# Altium PCB WX0.000.863拼板.PcbDoc (part 14 of 15) (continued)
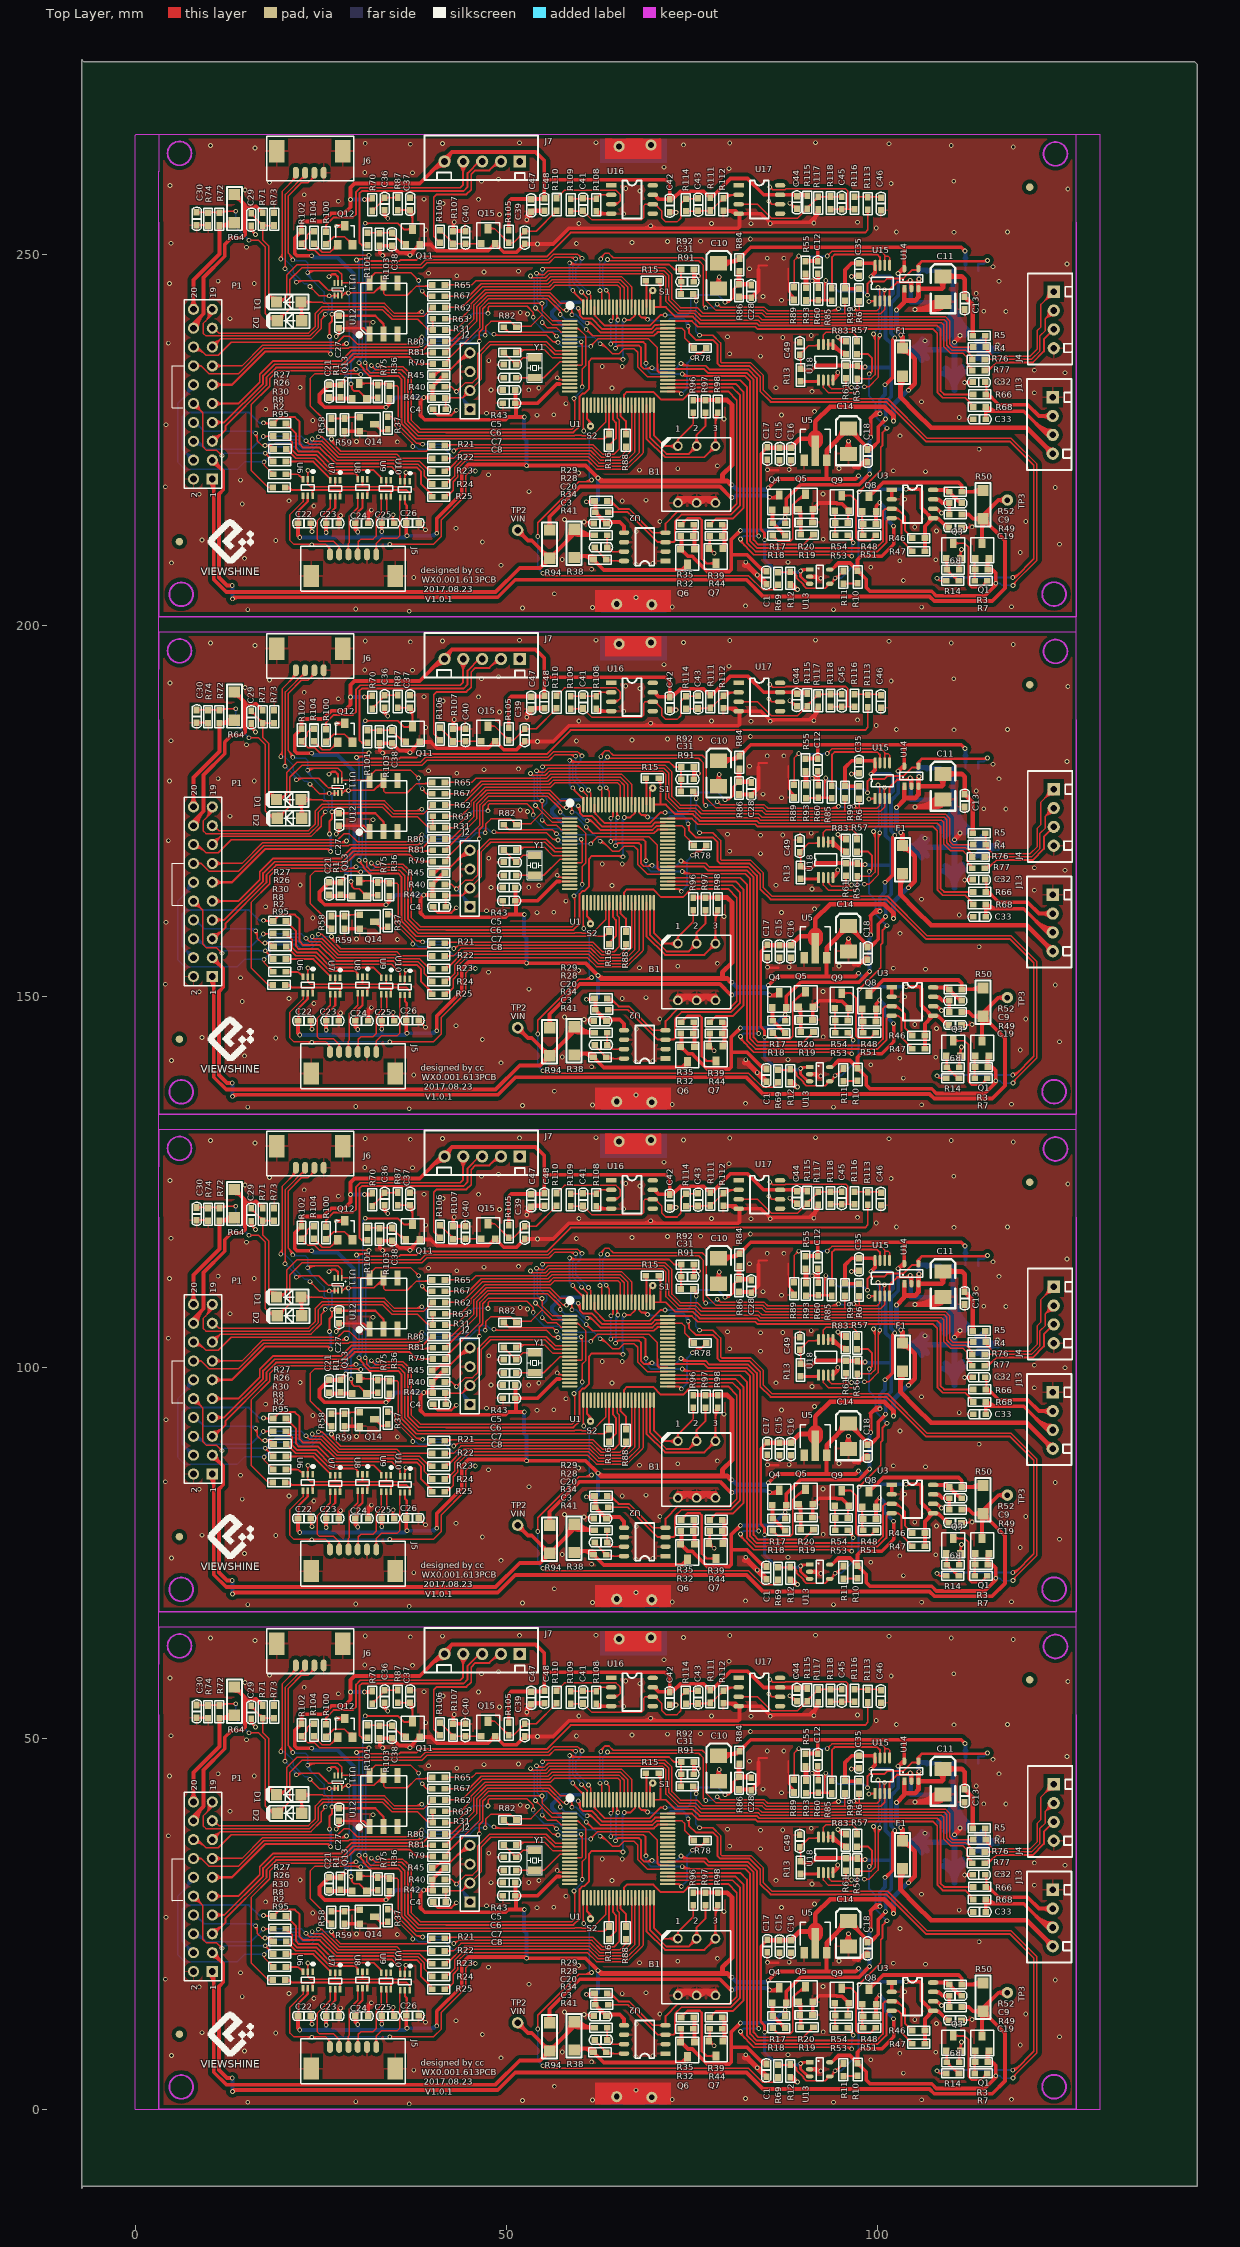
[diagram p0: Top Layer view]
## Nets (pads, with @x,y where several pads share a name; then routed paths per layer and width w, separated by ;. In a path a pad name is that pad's centre, name@x,y a point inside that pad or via, vN(x,y) a via of type N, cw(c..) or ccw(c..) an arc to the next point about the centre after c; other vN are vias at no path point) (continued)
; v1@94.445,139.159 cw(c94.77,138.834) 94.77,139.294 cw(c94.77,139.754) v1@94.445,139.428 ; v1@94.445,206.215 cw(c94.77,205.89) 94.77,206.35 cw(c94.77,206.81) v1@94.445,206.484 ; v1@96.41,8.263 ccw(c96.085,8.588) 96.545,8.588 ccw(c97.005,8.588) v1@96.68,8.263 ; v1@96.41,75.319 ccw(c96.085,75.644) 96.545,75.644 ccw(c97.005,75.644) v1@96.68,75.319 ; v1@96.41,142.375 ccw(c96.085,142.7) 96.545,142.7 ccw(c97.005,142.7) v1@96.68,142.375 ; v1@96.41,209.431 ccw(c96.085,209.756) 96.545,209.756 ccw(c97.005,209.756) v1@96.68,209.431 ; v1(96.545,8.128) v1@96.545,9.754 ; 96.545,9.006 cw(c97.699,9.006) v1@96.883,9.822 ; 96.545,9.62 cw(c97.085,9.62) v1@96.703,10.002 ; v1(96.545,75.184) v1@96.545,76.81 ; 96.545,76.062 cw(c97.699,76.062) v1@96.883,76.878 ; 96.545,76.676 cw(c97.085,76.676) v1@96.703,77.058 ; v1(96.545,142.24) v1@96.545,143.866 ; 96.545,143.118 cw(c97.699,143.118) v1@96.883,143.934 ; 96.545,143.732 cw(c97.085,143.732) v1@96.703,144.114 ; v1(96.545,209.296) v1@96.545,210.922 ; 96.545,210.174 cw(c97.699,210.174) v1@96.883,210.99 ; 96.545,210.788 cw(c97.085,210.788) v1@96.703,211.17 ; 97.434,16.11 cw(c98.241,16.11) v1@97.671,16.68 ; 97.434,83.166 cw(c98.241,83.166) v1@97.671,83.736 ; 97.434,150.222 cw(c98.241,150.222) v1@97.671,150.792 ; 97.434,217.278 cw(c98.241,217.278) v1@97.671,217.848 ; v1@98.489,43.307 ccw(c98.029,43.307) 98.354,43.632 ccw(c98.679,43.957) v1@98.679,43.497 ; v1@98.489,110.363 ccw(c98.029,110.363) 98.354,110.688 ccw(c98.679,111.013) v1@98.679,110.553 ; v1@98.489,177.419 ccw(c98.029,177.419) 98.354,177.744 ccw(c98.679,178.069) v1@98.679,177.609 ; v1@98.489,244.475 ccw(c98.029,244.475) 98.354,244.8 ccw(c98.679,245.125) v1@98.679,244.665 ; v1@98.773,32.58 cw(c98.509,32.317) 98.882,32.317 ; v1@98.773,99.636 cw(c98.509,99.373) 98.882,99.373 ; v1@98.773,166.692 cw(c98.509,166.429) 98.882,166.429 ; v1@98.773,233.748 cw(c98.509,233.485) 98.882,233.485 ; 98.882,30.707 98.882,29.697 99.75,28.829 99.75,27.635 ; 98.882,31.262 v1@98.882,32.664 ; 98.882,32.194 cw(c99.429,32.194) v1@99.042,32.58 ; 98.882,97.763 98.882,96.753 99.75,95.885 99.75,94.691 ; 98.882,98.318 v1@98.882,99.72 ; 98.882,99.25 cw(c99.429,99.25) v1@99.042,99.636 ; 98.882,164.819 98.882,163.809 99.75,162.941 99.75,161.747 ; 98.882,165.374 v1@98.882,166.776 ; 98.882,166.306 cw(c99.429,166.306) v1@99.042,166.692 ; 98.882,231.875 98.882,230.865 99.75,229.997 99.75,228.803 ; 98.882,232.43 v1@98.882,233.832 ; 98.882,233.362 cw(c99.429,233.362) v1@99.042,233.748 ; 98.89,30.714 98.89,31.254 ; 98.89,97.77 98.89,98.31 ; 98.89,164.826 98.89,165.366 ; 98.89,231.882 98.89,232.422 ; 99.713,27.597 99.713,26.982 v1(101.295,25.4) ; 99.713,94.653 99.713,94.038 v1(101.295,92.456) ; 99.713,161.709 99.713,161.094 v1(101.295,159.512) ; 99.713,228.765 99.713,228.15 v1(101.295,226.568) ; v1@101.105,25.4 ccw(c100.645,25.4) 100.97,25.725 ccw(c101.295,26.05) v1@101.295,25.59 ; v1@101.105,92.456 ccw(c100.645,92.456) 100.97,92.781 ccw(c101.295,93.106) v1@101.295,92.647 ; v1@101.105,159.512 ccw(c100.645,159.512) 100.97,159.837 ccw(c101.295,160.162) v1@101.295,159.702 ; v1@101.105,226.568 ccw(c100.645,226.568) 100.97,226.893 ccw(c101.295,227.218) v1@101.295,226.758 ; v1@108.186,5.021 cw(c108.757,4.451) 108.757,5.258 ; v1@108.186,72.077 cw(c108.757,71.507) 108.757,72.314 ; v1@108.186,139.133 cw(c108.757,138.563) 108.757,139.37 ; v1@108.186,206.189 cw(c108.757,205.619) 108.757,206.426 ; v1@108.255,5.258 v1(118.237,5.258) ; v1@108.255,72.314 v1(118.237,72.314) ; v1@108.255,139.37 v1(118.237,139.37) ; v1@108.255,206.426 v1(118.237,206.426) ; 111.885,46.614 111.885,47.447 111.885,48.389 ; 111.885,113.67 111.885,114.503 111.885,115.445 ; 111.885,180.726 111.885,181.559 111.885,182.501 ; 111.885,247.782 111.885,248.615 111.885,249.557 ; v1@118.102,5.123 ccw(c117.777,4.798) 117.777,5.258 ccw(c117.777,5.718) v1@118.102,5.393 ; v1@118.102,72.179 ccw(c117.777,71.854) 117.777,72.314 ccw(c117.777,72.774) v1@118.102,72.449 ; v1@118.102,139.235 ccw(c117.777,138.91) 117.777,139.37 ccw(c117.777,139.83) v1@118.102,139.505 ; v1@118.102,206.291 ccw(c117.777,205.966) 117.777,206.426 ccw(c117.777,206.886) v1@118.102,206.561
  Bottom Layer w0.305: v1@26.045,37.628 cw(c25.395,36.978) 26.314,36.978 ; v1@26.045,104.684 cw(c25.395,104.034) 26.314,104.034 ; v1@26.045,171.74 cw(c25.395,171.09) 26.314,171.09 ; v1@26.045,238.796 cw(c25.395,238.146) 26.314,238.146 ; v1@26.137,43.066 cw(c26.137,42.667) 26.418,42.949 cw(c26.7,43.231) v1@26.302,43.231 ; v1(26.137,43.231) 26.492,42.875 v1(26.492,40.742) ; v1@26.137,110.122 cw(c26.137,109.723) 26.418,110.005 cw(c26.7,110.287) v1@26.302,110.287 ; v1(26.137,110.287) 26.492,109.931 v1(26.492,107.798) ; v1@26.137,177.178 cw(c26.137,176.779) 26.418,177.061 cw(c26.7,177.343) v1@26.302,177.343 ; v1(26.137,177.343) 26.492,176.987 v1(26.492,174.854) ; v1@26.137,244.234 cw(c26.137,243.835) 26.418,244.117 cw(c26.7,244.399) v1@26.302,244.399 ; v1(26.137,244.399) 26.492,244.043 v1(26.492,241.91) ; v1(26.162,37.744) 26.314,37.592 v1(26.314,35.382) ; v1(26.162,104.8) 26.314,104.648 v1(26.314,102.438) ; v1(26.162,171.856) 26.314,171.704 v1(26.314,169.494) ; v1(26.162,238.912) 26.314,238.76 v1(26.314,236.55) ; v1@26.198,35.499 ccw(c25.916,35.781) 26.314,35.781 ccw(c26.713,35.781) v1@26.431,35.499 ; v1@26.198,102.555 ccw(c25.916,102.837) 26.314,102.837 ccw(c26.713,102.837) v1@26.431,102.555 ; v1@26.198,169.611 ccw(c25.916,169.893) 26.314,169.893 ccw(c26.713,169.893) v1@26.431,169.611 ; v1@26.198,236.667 ccw(c25.916,236.949) 26.314,236.949 ccw(c26.713,236.949) v1@26.431,236.667 ; v1@26.375,40.858 ccw(c26.094,41.14) 26.492,41.14 ccw(c26.891,41.14) v1@26.609,40.858 ; v1@26.375,107.914 ccw(c26.094,108.196) 26.492,108.196 ccw(c26.891,108.196) v1@26.609,107.914 ; v1@26.375,174.97 ccw(c26.094,175.252) 26.492,175.252 ccw(c26.891,175.252) v1@26.609,174.97 ; v1@26.375,242.026 ccw(c26.094,242.308) 26.492,242.308 ccw(c26.891,242.308) v1@26.609,242.026 ; v1@98.831,42.545 98.831,42.494 v1(98.857,42.469) ; v1@98.831,109.601 98.831,109.55 v1(98.857,109.525) ; v1@98.831,176.657 98.831,176.606 v1(98.857,176.581) ; v1@98.831,243.713 98.831,243.662 v1(98.857,243.637) ; 113.585,46.614 113.585,47.523 114.351,47.523 v1(114.833,48.006) ; 113.585,113.67 113.585,114.579 114.351,114.579 v1(114.833,115.062) ; 113.585,180.726 113.585,181.635 114.351,181.635 v1(114.833,182.118) ; 113.585,247.782 113.585,248.691 114.351,248.691 v1(114.833,249.174) ; v1@114.668,48.006 cw(c114.27,48.006) 114.552,47.724 cw(c114.833,47.442) v1@114.833,47.841 ; v1@114.668,115.062 cw(c114.27,115.062) 114.552,114.78 cw(c114.833,114.498) v1@114.833,114.897 ; v1@114.668,182.118 cw(c114.27,182.118) 114.552,181.836 cw(c114.833,181.554) v1@114.833,181.953 ; v1@114.668,249.174 cw(c114.27,249.174) 114.552,248.892 cw(c114.833,248.61) v1@114.833,249.009
  Bottom Layer w0.381: v1(84.811,10.363) 84.811,7.722 86.589,5.944 89.459,5.944 v1(89.662,6.147) ; v1(84.811,77.419) 84.811,74.778 86.589,73 89.459,73 v1(89.662,73.203) ; v1(84.811,144.475) 84.811,141.834 86.589,140.056 89.459,140.056 v1(89.662,140.259) ; v1(84.811,211.531) 84.811,208.89 86.589,207.112 89.459,207.112 v1(89.662,207.315) ; 88.865,5.944 ccw(c88.865,6.944) v1@89.572,6.237 ; 88.865,73 ccw(c88.865,74) v1@89.572,73.293 ; 88.865,140.056 ccw(c88.865,141.056) v1@89.572,140.349 ; 88.865,207.112 ccw(c88.865,208.112) v1@89.572,207.405
  Bottom Layer w0.508: v1(13.081,2.388) v1@13.081,4.166 ; v1(13.081,69.444) v1@13.081,71.222 ; v1(13.081,136.5) v1@13.081,138.278 ; v1(13.081,203.556) v1@13.081,205.334 ; v1(22.149,10.668) 25.679,10.668 ; v1(22.149,77.724) 25.679,77.724 ; v1(22.149,144.78) 25.679,144.78 ; v1(22.149,211.836) 25.679,211.836 ; v1(23.749,48.641) 24.003,48.387 27.254,48.387 29.543,46.098 29.543,35.569 28.499,34.525 28.499,32.817 28.504,32.812 28.504,32.639 ; v1(23.749,115.697) 24.003,115.443 27.254,115.443 29.543,113.154 29.543,102.625 28.499,101.581 28.499,99.873 28.504,99.868 28.504,99.695 ; v1(23.749,182.753) 24.003,182.499 27.254,182.499 29.543,180.21 29.543,169.681 28.499,168.637 28.499,166.929 28.504,166.924 28.504,166.751 ; v1(23.749,249.809) 24.003,249.555 27.254,249.555 29.543,247.266 29.543,236.737 28.499,235.693 28.499,233.985 28.504,233.98 28.504,233.807 ; v1@23.794,48.686 ccw(c24.516,49.408) 24.516,48.387 ; v1@23.794,115.742 ccw(c24.516,116.464) 24.516,115.443 ; v1@23.794,182.798 ccw(c24.516,183.52) 24.516,182.499 ; v1@23.794,249.854 ccw(c24.516,250.576) 24.516,249.555 ; v1@25.679,11.201 25.679,10.668 ; v1@25.679,78.257 25.679,77.724 ; v1@25.679,145.313 25.679,144.78 ; v1@25.679,212.369 25.679,211.836 ; v1@28.409,32.07 cw(c28.855,32.288) 28.504,32.639 ; v1@28.409,99.126 cw(c28.855,99.344) 28.504,99.695 ; v1@28.409,166.182 cw(c28.855,166.4) 28.504,166.751 ; v1@28.409,233.238 cw(c28.855,233.456) 28.504,233.807 ; v1(28.981,56.21) v1(30.861,56.21) ; v1(28.981,123.266) v1(30.861,123.266) ; v1(28.981,190.322) v1(30.861,190.322) ; v1(28.981,257.378) v1(30.861,257.378) ; v1@29.927,11.36 cw(c29.635,11.067) 30.048,11.067 ; v1@29.927,78.416 cw(c29.635,78.123) 30.048,78.123 ; v1@29.927,145.472 cw(c29.635,145.179) 30.048,145.179 ; v1@29.927,212.528 cw(c29.635,212.235) 30.048,212.235 ; v1@30.048,11.328 30.048,10.668 ; v1@30.048,78.384 30.048,77.724 ; v1@30.048,145.44 30.048,144.78 ; v1@30.048,212.496 30.048,211.836 ; 33.198,10.719 v1(33.198,11.455) ; 33.198,77.775 v1(33.198,78.511) ; 33.198,144.831 v1(33.198,145.567) ; 33.198,211.887 v1(33.198,212.623) ; v1(33.769,28.207) 35.103,29.54 v1(38.862,29.54) ; v1(33.769,95.263) 35.103,96.596 v1(38.862,96.596) ; v1(33.769,162.319) 35.103,163.652 v1(38.862,163.652) ; v1(33.769,229.375) 35.103,230.708 v1(38.862,230.708) ; 35.896,10.668 ccw(c35.896,11.602) v1@36.556,10.941 ; 35.896,77.724 ccw(c35.896,78.658) v1@36.556,77.997 ; 35.896,144.78 ccw(c35.896,145.714) v1@36.556,145.053 ; 35.896,211.836 ccw(c35.896,212.77) v1@36.556,212.109 ; 36.373,10.668 30.048,10.668 ; 36.373,77.724 30.048,77.724 ; 36.373,144.78 30.048,144.78 ; 36.373,211.836 30.048,211.836 ; v1(36.601,10.897) 40.284,10.897 v1(40.615,11.227) ; v1(36.601,77.953) 40.284,77.953 v1(40.615,78.283) ; v1(36.601,145.009) 40.284,145.009 v1(40.615,145.339) ; v1(36.601,212.065) 40.284,212.065 v1(40.615,212.395) ; 39.664,10.897 ccw(c39.664,12.177) v1@40.57,11.272 ; 39.664,77.953 ccw(c39.664,79.233) v1@40.57,78.328 ; 39.664,145.009 ccw(c39.664,146.289) v1@40.57,145.384 ; 39.664,212.065 ccw(c39.664,213.345) v1@40.57,212.44 ; v1@52.374,26.847 52.374,24.028 52.705,23.698 v1@52.705,20.345 ; v1@52.374,93.903 52.374,91.084 52.705,90.754 v1@52.705,87.401 ; v1@52.374,160.959 52.374,158.14 52.705,157.81 v1@52.705,154.457 ; v1@52.374,228.015 52.374,225.196 52.705,224.866 v1@52.705,221.513 ; 57.531,39.218 56.152,40.597 56.152,41.054 57.465,42.367 59.868,42.367 ; 57.531,106.274 56.152,107.653 56.152,108.11 57.465,109.423 59.868,109.423 ; 57.531,173.33 56.152,174.709 56.152,175.166 57.465,176.479 59.868,176.479 ; 57.531,240.386 56.152,241.765 56.152,242.222 57.465,243.535 59.868,243.535 ; v1(60.782,15.469) 62.128,15.469 62.357,15.697 v1(62.357,18.669) ; v1(60.782,82.525) 62.128,82.525 62.357,82.753 v1(62.357,85.725) ; v1(60.782,149.581) 62.128,149.581 62.357,149.809 v1(62.357,152.781) ; v1(60.782,216.637) 62.128,216.637 62.357,216.865 v1(62.357,219.837) ; v1(75.87,45.923) 75.926,45.923 v1@75.951,45.898 ; v1(75.87,112.979) 75.926,112.979 v1@75.951,112.954 ; v1(75.87,180.035) 75.926,180.035 v1@75.951,180.01 ; v1(75.87,247.091) 75.926,247.091 v1@75.951,247.066 ; v1(80.391,16.053) 80.696,16.053 80.962,16.319 ; v1(80.391,83.109) 80.696,83.109 80.962,83.376 ; v1(80.391,150.165) 80.696,150.165 80.962,150.431 ; v1(80.391,217.221) 80.696,217.221 80.962,217.487 ; v1@80.397,16.116 ccw(c80.464,16.818) 80.962,16.319 ; v1@80.397,83.172 ccw(c80.464,83.874) 80.962,83.375 ; v1@80.397,150.228 ccw(c80.464,150.93) 80.962,150.431 ; v1@80.397,217.284 ccw(c80.464,217.986) 80.962,217.487 ; v1(81.534,11.608) 83.671,11.608 83.704,11.641 85.783,11.641 87.579,13.437 v1(87.579,13.386) ; v1(81.534,78.664) 83.671,78.664 83.704,78.697 85.783,78.697 87.579,80.493 v1(87.579,80.442) ; v1(81.534,145.72) 83.671,145.72 83.704,145.753 85.783,145.753 87.579,147.549 v1(87.579,147.498) ; v1(81.534,212.776) 83.671,212.776 83.704,212.809 85.783,212.809 87.579,214.605 v1(87.579,214.554) ; 84.71,16.319 cw(c84.71,15.342) v1@85.401,16.033 ; 84.71,83.376 cw(c84.71,82.398) v1@85.401,83.089 ; 84.71,150.431 cw(c84.71,149.454) v1@85.401,150.145 ; 84.71,217.487 cw(c84.71,216.51) v1@85.401,217.201 ; v1(85.446,16.078) 85.446,16.053 85.179,16.319 84.43,16.319 80.962,16.319 ; v1(85.446,83.134) 85.446,83.109 85.179,83.376 84.43,83.376 80.962,83.376 ; v1(85.446,150.19) 85.446,150.165 85.179,150.431 84.43,150.431 80.962,150.431 ; v1(85.446,217.246) 85.446,217.221 85.179,217.487 84.43,217.487 80.962,217.487 ; v1@91.135,45.288 91.143,45.288 91.168,45.263 v1(91.211,45.263) ; v1@91.135,112.344 91.143,112.344 91.168,112.319 v1(91.211,112.319) ; v1@91.135,179.4 91.143,179.4 91.168,179.375 v1(91.211,179.375) ; v1@91.135,246.456 91.143,246.456 91.168,246.431 v1(91.211,246.431) ; v1(97.459,18.974) 99.263,17.17 v1(103.86,17.17) ; v1(97.459,86.03) 99.263,84.226 v1(103.86,84.226) ; v1(97.459,153.086) 99.263,151.282 v1(103.86,151.282) ; v1(97.459,220.142) 99.263,218.338 v1(103.86,218.338) ; v1(98.349,33.655) 98.45,33.553 101.887,33.553 ; v1(98.349,100.711) 98.45,100.609 101.887,100.609 ; v1(98.349,167.767) 98.45,167.665 101.887,167.665 ; v1(98.349,234.823) 98.45,234.721 101.887,234.721 ; v1@98.394,33.7 ccw(c98.747,34.054) 98.747,33.553 ; v1@98.394,100.756 ccw(c98.747,101.11) 98.747,100.609 ; v1@98.394,167.812 ccw(c98.747,168.166) 98.747,167.665 ; v1@98.394,234.868 ccw(c98.747,235.222) 98.747,234.721 ; v1(98.958,19.228) v1@98.958,24.003 ; 98.958,23.634 cw(c99.632,23.634) v1@99.156,24.11 ; v1(98.958,86.284) v1@98.958,91.059 ; 98.958,90.69 cw(c99.632,90.69) v1@99.156,91.166 ; v1(98.958,153.34) v1@98.958,158.115 ; 98.958,157.746 cw(c99.632,157.746) v1@99.156,158.222 ; v1(98.958,220.396) v1@98.958,225.171 ; 98.958,224.802 cw(c99.632,224.802) v1@99.156,225.278 ; v1(99.136,45.822) 101.707,45.822 102.113,45.415 102.113,43.549 101.115,42.55 101.115,37.54 101.887,36.768 101.887,33.553 ; v1(99.136,112.878) 101.707,112.878 102.113,112.471 102.113,110.605 101.115,109.606 101.115,104.596 101.887,103.824 101.887,100.609 ; v1(99.136,179.934) 101.707,179.934 102.113,179.527 102.113,177.661 101.115,176.662 101.115,171.652 101.887,170.88 101.887,167.665 ; v1(99.136,246.99) 101.707,246.99 102.113,246.583 102.113,244.717 101.115,243.718 101.115,238.708 101.887,237.936 101.887,234.721 ; v1(100.33,15.367) 100.94,14.757 100.94,13.437 v1(102.184,12.192) ; v1@100.33,27.331 100.33,29.235 101.041,29.947 v1(101.041,31.242) ; v1(100.33,82.423) 100.94,81.813 100.94,80.493 v1(102.184,79.248) ; v1@100.33,94.387 100.33,96.291 101.041,97.003 v1(101.041,98.298) ; v1(100.33,149.479) 100.94,148.869 100.94,147.549 v1(102.184,146.304) ; v1@100.33,161.443 100.33,163.347 101.041,164.059 v1(101.041,165.354) ; v1(100.33,216.535) 100.94,215.925 100.94,214.605 v1(102.184,213.36) ; v1@100.33,228.499 100.33,230.403 101.041,231.115 v1(101.041,232.41) ; v1(101.092,26.619) 101.125,26.652 101.125,27.683 101.092,27.716 101.092,28.909 101.887,29.704 101.887,33.553 ; v1(101.092,93.675) 101.125,93.708 101.125,94.739 101.092,94.772 101.092,95.965 101.887,96.76 101.887,100.609 ; v1(101.092,160.731) 101.125,160.764 101.125,161.795 101.092,161.828 101.092,163.021 101.887,163.816 101.887,167.665 ; v1(101.092,227.787) 101.125,227.82 101.125,228.851 101.092,228.884 101.092,230.077 101.887,230.872 101.887,234.721 ; 102.154,37.855 cw(c101.865,37.567) v1@102.273,37.567 ; 102.154,104.911 cw(c101.865,104.623) v1@102.273,104.623 ; 102.154,171.967 cw(c101.865,171.679) v1@102.273,171.679 ; 102.154,239.023 cw(c101.865,238.735) v1@102.273,238.735 ; v1(102.337,37.567) 102.337,37.672 101.821,38.188 101.821,42.258 102.819,43.256 v1@102.819,46.203 ; v1(102.337,104.623) 102.337,104.728 101.821,105.244 101.821,109.314 102.819,110.312 v1@102.819,113.259 ; v1(102.337,171.679) 102.337,171.784 101.821,172.3 101.821,176.37 102.819,177.368 v1@102.819,180.315 ; v1(102.337,238.735) 102.337,238.84 101.821,239.356 101.821,243.426 102.819,244.424 v1@102.819,247.371 ; 111.747,48.302 ccw(c111.412,48.637) 111.885,48.637 ccw(c112.358,48.637) 112.024,48.302 ; 111.747,115.358 ccw(c111.412,115.693) 111.885,115.693 ccw(c112.358,115.693) 112.024,115.358 ; 111.747,182.414 ccw(c111.412,182.749) 111.885,182.749 ccw(c112.358,182.749) 112.024,182.414 ; 111.747,249.47 ccw(c111.412,249.805) 111.885,249.805 ccw(c112.358,249.805) 112.024,249.47 ; v1@111.766,49.231 cw(c111.478,48.943) 111.885,48.943 ; v1@111.766,116.287 cw(c111.478,115.999) 111.885,115.999 ; v1@111.766,183.343 cw(c111.478,183.055) 111.885,183.055 ; v1@111.766,250.399 cw(c111.478,250.111) 111.885,250.111 ; v1(111.811,49.276) 111.885,49.202 111.885,47.447 ; v1(111.811,116.332) 111.885,116.258 111.885,114.503 ; v1(111.811,183.388) 111.885,183.314 111.885,181.559 ; v1(111.811,250.444) 111.885,250.37 111.885,248.615 ; 25.679,10.668 30.048,10.668 ; 25.679,77.724 30.048,77.724 ; 25.679,144.78 30.048,144.78 ; 25.679,211.836 30.048,211.836 ; v1@28.351,32.13 28.439,32.042 v1(28.351,32.042) v1@28.351,32.13 ; v1@28.351,32.13 28.351,32.487 28.504,32.639 ; v1@28.351,99.186 28.439,99.098 v1(28.351,99.098) v1@28.351,99.186 ; v1@28.351,99.186 28.351,99.543 28.504,99.695 ; v1@28.351,166.242 28.439,166.154 v1(28.351,166.154) v1@28.351,166.242 ; v1@28.351,166.242 28.351,166.599 28.504,166.751 ; v1@28.351,233.298 28.439,233.21 v1(28.351,233.21) v1@28.351,233.298 ; v1@28.351,233.298 28.351,233.655 28.504,233.807